# Altium PCB ModulebitV0_4.PcbDoc (part 2 of 2)
Units mm, origin at the board's own origin, x right, y up, seen from the top; angles counter-clockwise.
Board outline 60 x 54 mm, 2 copper layers (Top Layer, Bottom Layer), stack 1.671 mm thick; 125 components, 87 nets, 543 pads, 469 vias.
Unrouted connection lines stored in the file: 1.
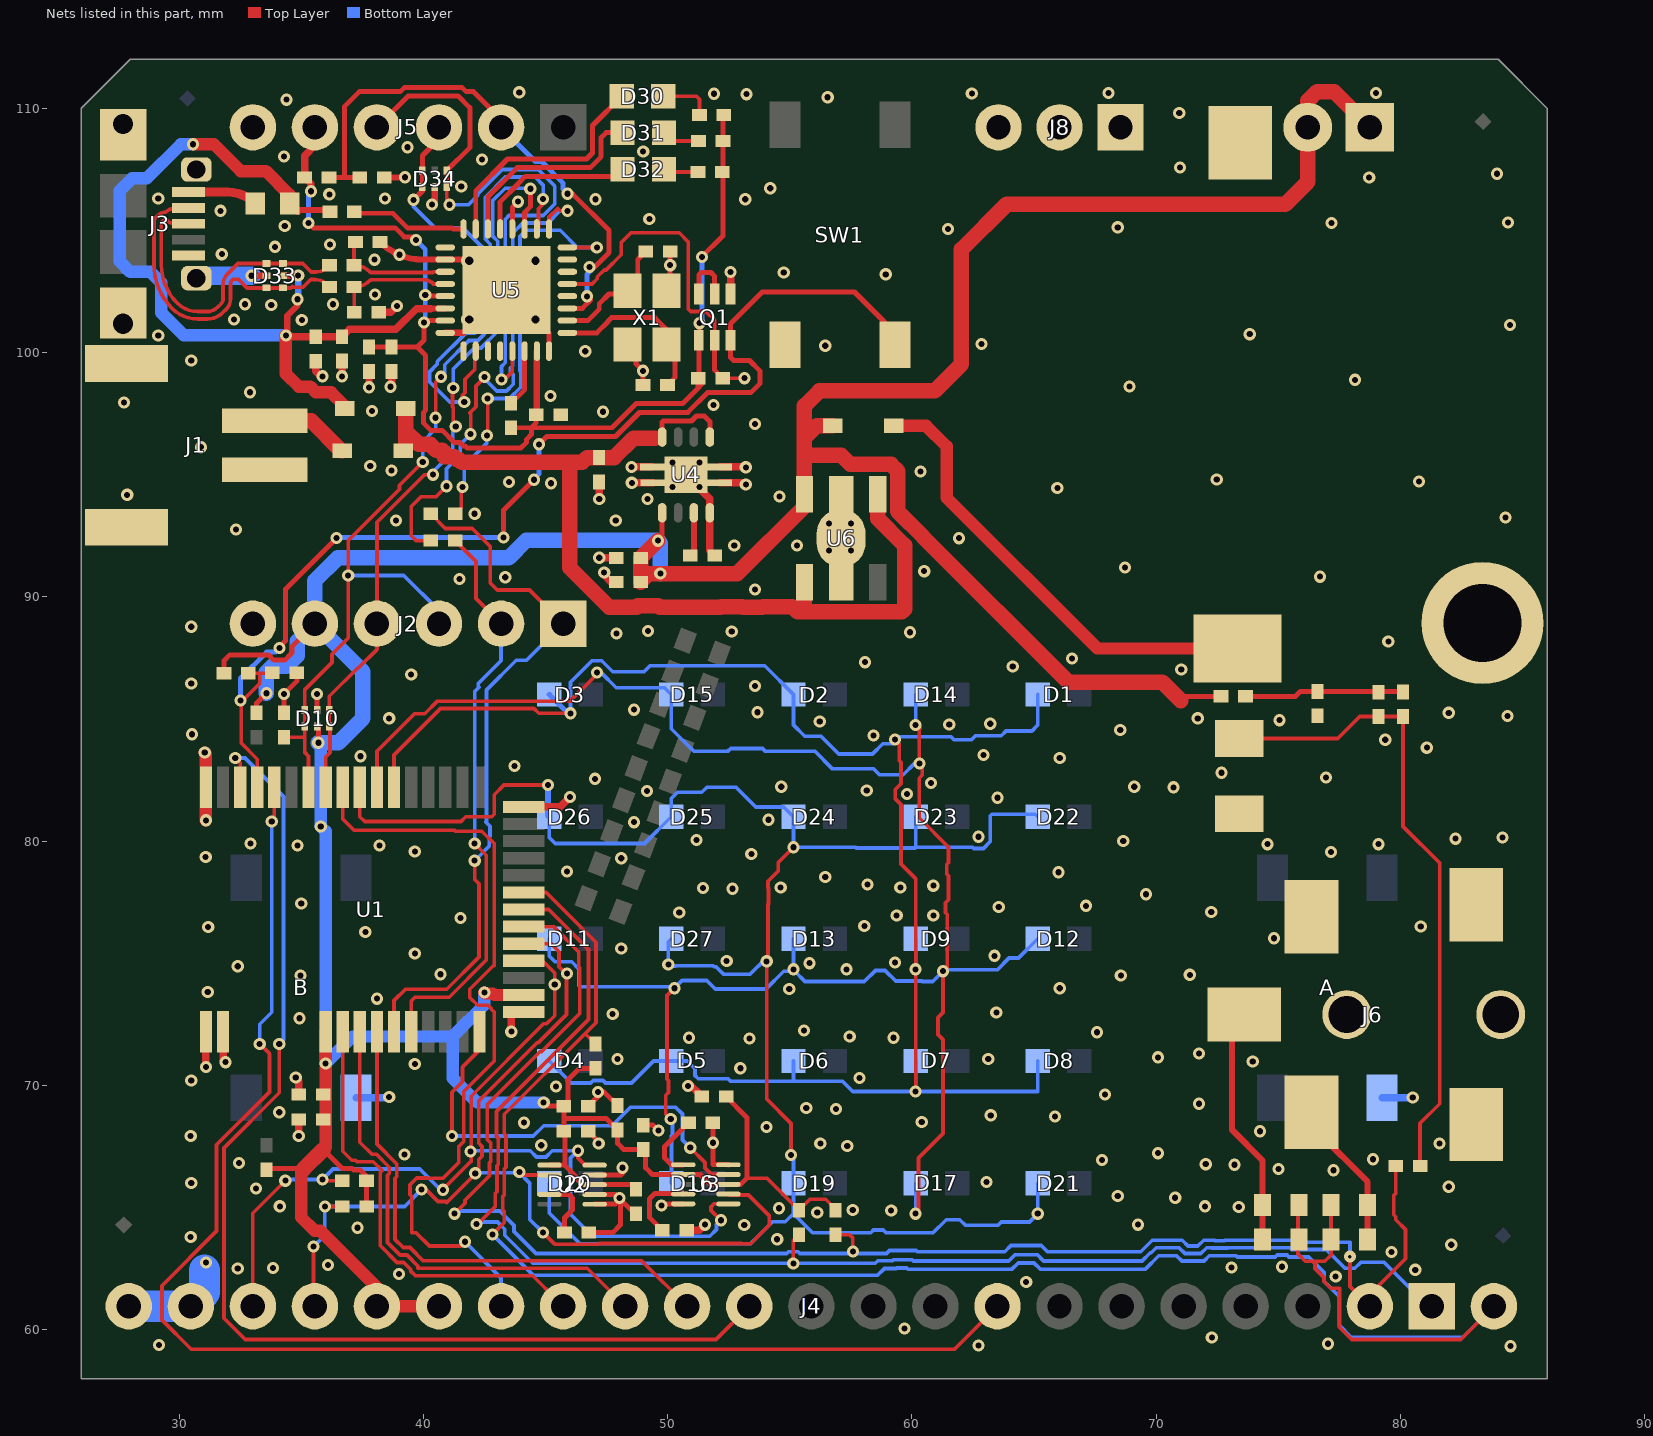
[diagram p2: the nets of this part, all layers, seen from the top]

## Via types
v1: diameter 0.5, hole 0.25, Top Layer to Bottom Layer, tented both sides, 464 vias
v2: diameter 0.66, hole 0.33, Top Layer to Bottom Layer, tented both sides, 4 vias
v3: diameter 0.5, hole 0.15, Top Layer to Bottom Layer, 1 vias

## Nets (pads, with @x,y where several pads share a name; then routed paths per layer and width w, separated by ;. In a path a pad name is that pad's centre, name@x,y a point inside that pad or via, vN(x,y) a via of type N, cw(c..) or ccw(c..) an arc to the next point about the centre after c; other vN are vias at no path point) (continued)
GND: A.2 B1.NEG B.2 C1.2 C2.2 C3.2 C4.2 C5.2 C6.2 C7.2 C8.2 C9.2 C10.2 C11.2 C12.2 C13.2 C14.2 C15.2 C16.2 C17.2 C18.2 C19.2 C20.2 C21.2 C22.2 C23.2 C24.2 C25.2 C26.2 C27.2 D10.2 D33.2 D34.2 J1.2 J1.P1 J1.P2 J2.6 J3.5 J3.H0 J3.H1 J3.H2 J3.H3 J4.21 J4.22 J5.6 J6.BARL J6.P01 J6.P02 J6.P03 J6.P04 J8.1 J8.2 J8.3 M1.BLACK M2.1 pad.2 Q1.1 R5.2 SW1.2 U1.1 U1.2 U1.13 U1.25 U1.42 U2.6 U2.7 U2.9 U3.5 U3.10 U4.4 U4.9 U5.2 U5.8 U5.16 U5.33 U6.2 X1.2 X1.4 | length 64.1
  Top Layer w0.203: R5.2@34.3,85.25 v1(34.3,86.025) 34.819,86.544 C24.2@34.819,86.893 ; D10.2@35.65,85.363 v1(35.65,86.025) ; U5.33@43.394,102.556 45.144,100.806 U5.16@45.144,100.056 ; C2.2@46.75,68.125 47.175,67.7 v1(47.175,67.625) ; C1.2@46.75,69.15 47.125,69.525 47.15,69.525 v1(47.15,69.725) 47.4,69.725 C8.2@47.95,69.175 ; C6.2@46.775,63.975 47.75,63.975 48.062,64.287 pad.2@48.062,65.337 ; U2.6@47.012,65.136 47.861,65.136 pad.2@48.062,65.337 ; U2.7@47.012,65.536 v1@47.864,65.536 ; U2.9@47.012,66.336 48.086,66.336 48.152,66.402 v1(48.152,66.628) ; C3.2@48.7,64.75 48.65,64.75 pad.2@48.062,65.337 ; X1.4@48.705,100.332 48.705,99.537 v1(48.992,99.25) C21.2@48.992,98.671 ; C9.2@49,68.375 49.4,68.375 v1(49.625,68.15) ; v1(49.752,65.078) 49.752,65.15 49.751,65.151 49.752,65.151 U3.5@50.637,65.151 ; C22.2@50.102,104.132 v1(50.102,103.575) 50.102,102.735 X1.2@50.305,102.532 ; C7.2@51.85,68.475 v1(51.85,67.653) 51.856,67.647 51.856,66.753 52.485,66.753 U3.10@52.487,66.751
  Top Layer w0.254: v1(32.963,103.143) D33.2@33.579,103.143 ; C18.2@38.225,104.525 ccw(c39.96,106.26) 39.96,103.806 U5.2@40.894,103.806 U5.33@42.144,103.806 ; C23.2@38.397,107.169 39.244,107.169 v1(39.25,107.175) ; v1(40.352,106.055) 40.462,106.165 D34.2@40.462,106.774 ; U5.8@40.894,100.806 U5.33@41.644,100.806
  Top Layer w0.305: v1(31.1,70.75) U1.1@31.1,71.699 ; U1.2@31.8,71.699 31.8,71.05 v1(31.9,70.95) ; v1(34.775,70.325) 34.9,70.2 C5.2@34.9,69.625 ; v1(34.9,67.925) C4.2@34.9,68.6 ; C25.2@35.595,99.647 35.595,99.23 35.8,99.025 v1(35.875,99.025) ; v1(36.675,99.025) C26.2@36.675,99.65 ; v1(37.775,98.575) C16.2@37.775,99.225 ; C17.2@38.175,101.65 38.675,101.65 v1(38.925,101.9) ; v1(38.65,98.6) 38.7,98.65 C19.2@38.7,99.225 ; v1(43.6,72.2) 43.599,72.999 U1.13@44.1,72.999 ; U1.25@43.8,81.399 45.599,81.399 v1(46,81.8) ; C14.2@47.193,94.699 47.193,94.007 v1(47.2,94) ; v1(47.2,91.6) 47.208,91.592 C13.2@47.895,91.592 ; v1(47.4,91) 47.4,90.9 47.698,90.602 C12.2@47.895,90.602 ; v1(48.516,95.316) U4.9@49.378,95.316 ; v1(48.534,94.666) U4.9@49.403,94.666 ; U4.9@50.749,94.991 51.724,94.016 U4.4@51.724,93.441 C15.2@51.724,91.897 ; C10.2@50.775,64.075 51.3,64.075 v1(51.525,64.3) ; v1(50.827,69.978) 50.827,70.052 50.85,70.075 50.875,70.075 C11.2@51.4,69.55 ; U4.9@52.121,94.666 53.134,94.666 v1(53.2,94.6) ; U4.9@52.121,95.316 53.184,95.316 v1(53.2,95.3) ; Q1.1@52.575,102.4 v1(52.575,103.3)
  Top Layer w0.508: v1(31.05,83.625) 31.1,83.575 U1.42@31.1,82.699 U1.42@31.1,82.199 v1(31.1,80.85)
  Bottom Layer w0.254: v1(40.352,106.055) v1@40.445,106.055
  Bottom Layer w0.305: B.2@37.25,69.5 38.575,69.5 v1(38.6,69.525) ; A.2@79.25,69.5 v1(80.5,69.5)
  Bottom Layer w0.762: J3.H3@30.709,103.041 cw(c30.954,102.796) 30.954,103.143 v1(32.963,103.143)
  Bottom Layer w1.27: J4.22@27.94,60.96 J4.21@30.48,60.96 31.05,61.53 31.05,62.45
  other v1: 84.5,59.325 62.725,59.35 29.175,59.375 77.025,59.425 72.275,59.675 59.7,60.05 64.675,61.95 77.343,62.179 39,62.275 80.6,62.45 32.4,62.5 33.85,62.525 73.075,62.55 75.15,62.575 36.1,62.65 31.1,62.75 79.625,63.175 82.075,63.475 54.483,63.703 30.475,63.8 37.3,64.175 53.137,64.287 69.25,64.3 56.125,64.8 59.15,64.875 57.578,64.903 54.559,64.973 73.375,65.025 34.125,65.05 72,65.05 48.029,65.397 70.775,65.4 68.425,65.475 33.15,65.775 81.975,65.85 30.5,66 63.05,66.05 77.25,66.525 75,66.575 73.2,66.75 72.025,66.775 32.45,66.825 67.775,66.95 78.875,66.975 39.225,67.175 70.075,67.225 57.35,67.525 44.825,67.55 56.25,67.625 81.6,67.625 30.475,67.925 74.25,68.125 54.051,68.301 44.125,68.475 60.401,68.504 65.85,68.725 63.225,68.775 34.1,68.9 56.896,69.037 55.675,69.075 71.75,69.25 67.9,69.625 45.425,69.95 30.5,70.2 57.85,70.3 52.975,70.7 39.65,70.875 73.95,70.975 47.95,71.075 63.125,71.075 70.075,71.15 71.75,71.3 53.35,71.925 50.875,71.95 59.25,71.95 57.45,72 67.575,72.175 55.575,72.25 34.925,72.75 47.75,72.925 63.453,72.979 38.1,73.55 31.175,73.825 54.975,73.95 66.05,73.975 34.975,74.5 68.55,74.5 71.375,74.525 40.7,74.55 57.325,74.75 32.4,74.875 55.803,75.004 59.303,75.029 52.415,75.098 63.378,75.304 39.65,75.4 48.1,75.6 74.825,76.025 37.625,76.275 31.191,76.479 80.825,76.5 58.05,76.525 41.525,76.85 59.375,76.95 60.875,76.95 50.475,77.075 72.25,77.1 63.553,77.304 67.125,77.35 35,77.45 69.575,77.825 52.65,78.05 51.45,78.075 54.625,78.1 59.525,78.1 60.875,78.175 58.175,78.225 56.45,78.525 66,78.725 45.875,78.75 48.1,79.3 31.09,79.35 53.425,79.475 77.15,79.55 39.65,79.575 34.85,79.825 38.2,79.825 74.55,79.875 79.1,79.875 32.925,79.9 68.65,80 51.175,80.05 82.25,80.1 84.175,80.15 62.728,80.179 48.625,80.775 54.125,80.875 63.5,81.775 59.8,81.925 49.15,82.05 58.15,82.075 70.7,82.2 54.65,82.225 69.1,82.225 60.775,82.375 47.025,82.55 76.95,82.6 72.675,82.8 43.725,83.075 66.05,83.4 37.425,83.475 62.925,83.525 81.075,83.825 79.375,84.15 58.425,84.325 30.525,84.375 68.525,84.55 61.525,84.775 63.203,84.804 56.225,84.9 75.05,84.95 38.6,85.025 71.7,85.025 84.375,85.125 81.975,85.25 53.675,85.275 48.627,85.379 53.575,86.35 30.5,86.45 39.5,86.825 71.025,87.025 64.125,87.15 58.075,87.325 66.55,87.475 79.5,88.175 47.9,88.5 59.925,88.55 52.625,88.575 49.2,88.6 30.5,88.775 53.575,90.3 41.475,90.725 43.35,90.8 76.7,90.825 60.5,91.05 68.725,91.2 56.6,91.9 57.5,91.9 52.725,92.1 55.3,92.1 61.925,92.4 32.325,92.75 56.6,93 57.5,93 38.875,93.125 47.875,93.125 84.3,93.25 42.1,93.4 49.175,94 54.575,94.1 27.875,94.175 65.95,94.45 50.2,94.5 51.3,94.5 45.225,94.65 43.5,94.7 80.75,94.725 72.475,94.8 60.35,95.125 38.7,95.175 37.825,95.35 50.2,95.5 51.3,95.5 30.9,96.125 53.575,97.075 47.35,97.575 37.9,97.6 51.875,97.85 27.75,97.95 45.2,98.225 32.9,98.375 68.91,98.603 78.13,98.882 30.5,99.675 46.625,100.05 56.45,100.275 62.85,100.35 29.15,100.7 73.825,100.75 84.475,101.125 35.025,101.325 32.25,101.35 33.775,101.95 32.7,101.975 36.3,101.975 38.025,102.375 58.925,103.2 54.75,103.275 38,103.8 39.025,104 31.75,104.025 33.925,104.325 36.175,104.425 61.475,105.05 68.425,105.125 34.325,105.175 77.175,105.3 84.4,105.325 49.251,105.461 31.7,105.8 47.05,106.275 53.175,106.275 29.15,106.3 38.425,106.3 36.15,106.475 54.2,106.725 41.55,106.8 78.715,107.163 83.947,107.315 70.968,107.569 42.4,107.9 34.3,108.025 48.997,108.229 39.35,108.4 70.942,109.804 34.4,110.35 56.55,110.45 53.225,110.575 51.892,110.592 62.45,110.6 68.05,110.625 79,110.625 43.925,110.65
  other v2: 41.877,101.355 44.594,101.356 41.877,103.755 44.594,103.756
I2C.SCL: J4.19 R2.2 U1.17 U2.2 U3.7 | length 42.4
  Top Layer w0.152: v1(35.5,63.4) 35.5,61.02 J4.19@35.56,60.96 ; v1(35.968,65.043) R2.2@36.678,65.043 ; v1(39.929,65.735) 40.113,65.735 40.602,65.246 40.905,65.246 40.952,65.2 v1@42.138,66.387 ; v1@42.263,66.511 42.263,66.961 42.404,67.102 42.404,67.498 42.263,67.639 42.263,69.366 44.637,71.74 44.695,71.74 45.856,72.901 45.856,74.327 ; v1(43.927,66.453) 43.927,66.425 44.016,66.336 U2.2@45.162,66.336 ; U1.17@44.1,75.799 U1.17@44.6,75.799 45.224,75.799 45.551,75.473 45.551,74.855 v1@45.827,74.579 ; v1(44.9,63.975) 45.35,63.525 45.352,63.525 45.38,63.496 47.17,63.496 47.198,63.525 52.998,63.525 53.002,63.521 53.398,63.521 53.679,63.802 54.154,64.277 54.154,64.673 53.311,65.516 52.522,65.516 U3.7@52.487,65.551
  Bottom Layer w0.152: v1(35.5,63.4) 35.968,63.868 v1(35.968,65.043) 39.237,65.043 v1(39.929,65.735) ; v1(42.125,66.4) 42.154,66.429 43.923,66.429 44.35,66.002 44.35,64.525 v1(44.9,63.975)
  other v1: 45.877,74.579
I2C.SDA: J4.20 R1.2 U1.16 U2.10 U3.6 | length 42.8
  Top Layer w0.152: J4.20@33.02,60.96 33.02,64.77 v1(34.35,66.1) ; v1@35.925,66.1 R1.2@36.675,66.1 ; v1(40.8,65.725) 40.8,65.752 41.927,66.879 41.954,66.879 41.958,66.883 41.958,69.558 44.921,72.521 45.045,72.521 45.377,72.853 v1(45.377,74.129) 45.377,74.598 44.876,75.099 U1.16@44.6,75.099 U1.16@44.1,75.099 ; v1(46.325,67.325) 46.325,67.025 46.614,66.736 U2.10@47.012,66.736 ; v1(52.178,64.478) 51.775,64.881 51.775,65.025 51.901,65.151 U3.6@52.487,65.151
  Bottom Layer w0.152: v1(34.35,66.1) 34.4,66.15 v1(35.875,66.15) 36.298,66.573 39.85,66.573 40.698,65.725 v1(40.8,65.725) ; v1(41.925,67.3) 41.95,67.325 44.373,67.325 44.627,67.071 45.023,67.071 45.277,67.325 v1(46.325,67.325) 46.025,67.025 46.025,64.725 46.929,63.821 51.723,63.821 52.004,64.102 52.004,64.304 v1(52.178,64.478) ; v1@45.377,73.973 v1(45.377,74.129)
IF_NRST: C23.1 J5.2 R22.2 U5.19 | length 23
  Top Layer w0.203: R22.2@36.136,107.163 36.775,107.163 ; C23.1@37.391,107.163 36.775,107.163 ; J5.2@43.18,109.22 43.18,109.545 42.05,110.675 41.753,110.675 41.572,110.856 39.233,110.856 39.052,110.675 37.375,110.675 36.775,110.075 36.775,107.163 ; v1@45.8,106.5 v1(45.9,106.5) 46.1,106.5 47.604,104.996 47.604,104.091 47.013,103.5 v1(46.8,103.5) ; U5.19@45.894,101.806 46.506,101.806 46.844,102.144 46.844,102.156 v1(46.7,102.3)
  Bottom Layer w0.203: J5.2@43.18,109.22 44.582,107.818 44.84,107.818 45.711,106.947 45.711,106.689 v1(45.9,106.5) ; v1(46.7,102.3) 46.7,103.2 47,103.5 v1(46.8,103.5)
IF_TDO: U5.12
LED_COM_GREEN: D30.K U5.31 | length 9.8
  Top Layer w0.203: U5.31@42.144,105.056 42.144,106.619 43.444,107.919 46.678,107.919 46.924,108.165 46.924,109.293 D30.K@48.121,110.49
LED_DAP_BLUE: D31.K U5.30 | length 8.4
  Top Layer w0.203: U5.30@42.644,105.056 42.644,106.369 43.839,107.564 46.826,107.564 47.28,108.018 47.28,108.798 47.481,109 D31.K@48.15,109
LED_PWR_RED: D32.K U5.29 | length 6.7
  Top Layer w0.203: U5.29@43.144,105.056 43.144,106.169 43.875,106.9 43.875,106.913 44.17,107.208 47.858,107.208 D32.K@48.15,107.5
MAG_INT1: U1.12 U3.9 | length 18
  Top Layer w0.152: v1(41.175,67.925) 41.175,69.719 41.605,70.149 41.605,70.748 42.282,71.426 42.3,71.426 U1.12@42.3,71.699 ; v1(50.925,67.45) 51.525,66.85 51.525,66.616 51.79,66.351 U3.9@52.487,66.351
  Bottom Layer w0.152: v1(41.175,67.925) 44.5,67.925 44.925,68.35 47.725,68.35 48.482,69.107 50.326,69.107 50.606,68.827 50.606,67.769 v1(50.925,67.45)
MISO: J4.14 U1.5 | length 19.6
  Top Layer w0.152: U1.5@37.4,71.699 37.4,67.675 37.895,67.18 38.076,67.18 38.607,66.649 38.607,66.383 38.536,66.312 38.536,63.571 39.049,63.058 39.324,63.058 39.783,62.599 39.783,62.527 39.799,62.512 46.708,62.512 J4.14@48.26,60.96
MOSI: J4.15 U1.4 | length 17.6
  Top Layer w0.152: U1.4@36.7,71.699 36.7,67.3 37.066,66.934 37.217,66.934 37.276,66.875 37.95,66.875 38.302,66.523 38.302,66.51 38.231,66.438 38.231,63.445 38.923,62.754 39.198,62.754 39.479,62.473 39.479,62.401 39.672,62.207 44.473,62.207 J4.15@45.465,61.215
NC1: U5.9
NC2: U5.1
NC5: U5.11
NetB1_POS1: B1.POS1 D28.2 | length 19.1
  Top Layer w0.508: D28.2@59.25,97 60.579,97 61.417,96.162 61.417,94.056 67.589,87.884 B1.POS1@73.33,87.884
NetC6_1: C6.1 U2.4 | length 2.6
  Top Layer w0.203: U2.4@45.162,65.536 45.964,65.536 46.1,65.4 46.1,64.9 45.775,64.575 C6.1@45.775,63.975
NetC7_1: C7.1 U3.1 | length 2.7
  Top Layer w0.203: U3.1@50.637,66.751 50.149,66.751 49.875,67.025 49.875,67.5 C7.1@50.85,68.475
NetC10_1: C10.1 U3.4 | length 3
  Top Layer w0.203: C10.1@49.775,64.075 49.248,64.602 49.248,65.348 49.482,65.582 50.606,65.582 U3.4@50.637,65.551
NetC27_1: C27.1 R28.1 R29.1 R37.2 | length 6.5
  Top Layer w0.203: R37.2@73.65,85.925 75.7,85.925 75.9,86.125 C27.1@76.6,86.125 80.075,86.125 R29.1@80.1,86.1
NetD30_A: D30.A R15.2 | length 2.2
  Top Layer w0.152: D30.A@49.821,110.49 51.181,110.49 51.3,110.371 R15.2@51.3,109.725
NetD31_A: D31.A R16.2 | length 1.1
  Top Layer w0.152: D31.A@50.189,108.661 R16.2@51.265,108.661
NetD32_A: D32.A R17.2 | length 1.3
  Top Layer w0.152: D32.A@49.959,107.391 R17.2@51.24,107.391
NetJ6_RING: J6.RING R31.1 R32.1 | length 5.6
  Top Layer w0.254: J6.RING@76.6,68.5 76.6,68.1 78.65,66.05 R31.1@78.65,63.7
NetJ6_TIP: J6.TIP R33.1 R34.1 | length 9.7
  Top Layer w0.254: J6.TIP@73.1,72.9 73.1,68.175 74.35,66.925 R34.1@74.35,65.1 R33.1@74.35,63.7
NetM1_RED: M1.RED R28.2 R29.2 R30.2 | length 26.4
  Top Layer w0.152: M1.RED@73.4,84.2 77.425,84.2 78.325,85.1 R29.2@80.1,85.1 80.1,80.6 81.6,79.1 81.6,69.25 80.8,68.45 R30.2@80.8,66.7
NetQ1_2: Q1.2 Q1.3 | length 2.3
  Top Layer w0.203: Q1.3@51.275,102.375 Q1.3@51.275,102.4 51.275,102.425 51.275,103.175 51.375,103.275 51.775,103.275 51.925,103.125 Q1.2@51.925,102.4 Q1.2@51.925,102.375
NR: C15.1 U4.3 | length 1.6
  Top Layer w0.254: C15.1@51.074,91.841 U4.3@51.074,93.441
NRES_FB_BL: R21.2 U5.14 | length 2.4
  Top Layer w0.203: R21.2@43.586,97.92 44.144,98.478 U5.14@44.144,100.056
P0: J4.0 R26.2 R31.2 R32.2 R33.2 R34.2 U1.20 | length 78.8
  Top Layer w0.152: v1(42.825,63.9) 43.315,64.39 43.315,64.839 43.249,64.905 43.249,65.45 43.315,65.517 43.315,66.576 43.384,66.645 43.384,67.949 43.315,68.019 43.315,68.815 46.611,72.111 ; U1.20@44.6,77.899 45.026,77.899 47.067,75.858 47.067,72.567 46.611,72.111 ; R26.2@47.041,71.696 46.626,72.111 46.611,72.111 ; 75.8,64.6 75.8,63.1 76.1,62.8 76.4,62.8 ; R32.2@77.15,65.1 R31.2@77.15,63.7 77.15,63.05 76.9,62.8 76.4,62.8 ; 77.499,61.701 77.145,61.701 76.864,61.981 76.864,62.136 76.5,62.5 76.5,62.7 76.4,62.8 ; 77.5,61.7 77.5,60.1 78,59.6 82.46,59.6 J4.0@83.82,60.96
  Bottom Layer w0.152: v1(42.825,63.9) 44.491,62.234 58.601,62.234 58.873,62.507 59.351,62.507 59.374,62.53 59.783,62.53 59.833,62.48 64.097,62.48 64.351,62.733 64.999,62.733 65.253,62.48 69.555,62.48 70.104,63.029 70.832,63.029 71.049,62.812 71.951,62.812 72.168,63.029 73.273,63.029 73.327,62.975 74.873,62.975 74.952,63.054 75.348,63.054 75.427,62.975 76.242,62.975 76.864,62.353 76.864,61.981 77.495,61.35 77.495,60.173 77.978,59.69 82.55,59.69 J4.0@83.82,60.96 J4.0@83.715,60.96
P0.16: J4.16 U1.34 | length 32.6
  Top Layer w0.152: U1.34@36.7,81.999 36.7,80.9 37.158,80.442 41.273,80.442 41.308,80.407 42.393,80.407 42.9,79.9 42.9,74.9 42.883,74.917 41.9,73.933 41.9,73.6 42.222,73.278 42.645,73.278 42.779,73.144 42.779,73.121 42.9,73 42.9,71 41.654,69.754 41.654,67.705 41.446,67.498 41.446,66.846 40.804,66.204 40.137,66.204 40.127,66.214 39.731,66.214 39.45,65.933 39.45,65.537 39.521,65.466 39.521,63.973 39.703,63.973 40.25,63.426 41.526,63.426 v1(41.7,63.6)
  Bottom Layer w0.152: v1(41.7,63.6) 43.18,62.12 J4.16@43.18,60.96
P0.18: J4.8 U1.38 | length 59.5
  Top Layer w0.152: v1(33.3,71.7) 33.7,71.3 33.7,69.731 31.537,67.568 31.537,64.037 29.3,61.8 29.3,60.4 30.5,59.2 61.74,59.2 J4.8@63.5,60.96 ; v1(33.795,80.805) 33.9,80.91 U1.38@33.9,82.199
  Bottom Layer w0.152: v1(33.3,71.7) 33.3,72.5 33.795,72.995 v1(33.795,80.805)
P0.20: J4.12 U1.40 | length 48.7
  Top Layer w0.152: v1(32.3,83.4) 32.5,83.2 U1.40@32.5,82.699 U1.40@32.5,82.199 ; v1(34.1,71.7) 34.1,69.7 31.841,67.441 31.841,60.472 32.713,59.6 51.98,59.6 J4.12@53.34,60.96
  Bottom Layer w0.152: v1(32.3,83.4) 32.7,83.4 34.274,81.826 34.274,71.874 v1(34.1,71.7)
P1: J4.1 R25.2 U1.19 | length 59.2
  Top Layer w0.152: v1@42.225,64.325 42.942,65.042 42.942,65.574 43.01,65.643 43.01,66.702 43.064,66.756 43.064,67.808 43.079,67.823 42.995,67.907 ; 42.998,67.91 42.995,67.912 42.995,68.926 46.762,72.693 46.762,75.566 45.128,77.199 U1.19@44.6,77.199 ; v1(55.143,62.713) 55.143,63.66 R25.2@55.372,63.889
  Bottom Layer w0.152: v1(42.175,64.325) 42.254,64.404 43.034,64.404 43.329,64.109 43.329,63.863 44.475,62.717 58.498,62.717 58.598,62.817 59.194,62.817 59.237,62.86 60.009,62.86 60.059,62.81 63.96,62.81 64.214,63.064 65.136,63.064 65.39,62.81 69.418,62.81 69.758,63.15 69.794,63.15 70.002,63.358 70.934,63.358 71.176,63.117 71.824,63.117 72.066,63.358 72.259,63.358 72.276,63.342 72.924,63.342 72.941,63.358 75.474,63.358 75.553,63.28 76.963,63.28 77.729,62.513 78.125,62.513 78.367,62.755 79.332,62.755 81.127,60.96 J4.1@81.28,60.96
P2: J4.2 R24.2 R30.1 U1.18 | length 64.8
  Top Layer w0.152: v1(41.275,64.75) 41.704,65.179 41.704,65.302 42.705,66.303 42.705,66.829 42.759,66.883 42.759,67.646 42.619,67.786 42.619,69.219 44.785,71.385 44.842,71.385 46.407,72.949 46.407,74.798 46.356,74.849 46.356,75.469 45.326,76.499 U1.18@44.6,76.499 U1.18@44.1,76.499 ; R24.2@56.871,63.889 57.447,63.889 57.582,63.754 v1(57.582,63.195) ; v3(77.927,62.992) 77.927,61.773 J4.2@78.74,60.96 ; J4.2@78.74,61.1 78.74,61.44 80.2,62.9 80.2,64.1 79.8,64.5 79.8,64.627 79.721,64.705 79.721,65.495 79.8,65.573 R30.1@79.8,66.7
  Bottom Layer w0.152: v1(41.275,64.75) 41.379,64.854 43.122,64.854 43.71,64.267 43.71,64.021 44.609,63.121 54.875,63.121 54.945,63.191 55.342,63.191 55.411,63.121 58.96,63.121 59.079,63.241 60.167,63.241 60.217,63.191 63.802,63.191 64.056,63.445 65.294,63.445 65.548,63.191 69.368,63.191 69.84,63.663 71.06,63.663 71.302,63.421 71.698,63.421 71.94,63.663 72.385,63.663 72.402,63.646 72.798,63.646 72.815,63.663 75.601,63.663 75.679,63.585 77.927,63.585 v3(77.927,62.992)
PRE_TGT_NRST: Q1.5 R27.2 U5.21 | length 13.8
  Top Layer w0.152: U5.21@45.894,102.806 46.906,102.806 47.121,103.021 47.121,103.098 47.402,103.379 47.479,103.379 48.1,104 48.1,104.5 48.5,104.9 50.475,104.9 50.846,104.529 50.846,101.779 50.946,101.679 51.571,101.679 51.925,101.325 Q1.5@51.925,100.5 ; R27.2@52.25,98.95 v1(53.15,98.95)
  Top Layer w0.203: Q1.5@51.925,100.5 51.925,99.275 R27.2@52.25,98.95
  Bottom Layer w0.152: v1@53.15,98.85 v1(53.15,98.95)
PRE_TGT_RXD: R36.2 U5.25 | length 20.7
  Top Layer w0.152: R36.2@40.3,92.3 39.7,92.3 39.5,92.5 39.5,93.7 39.9,94.1 40.523,94.1 v1(40.948,94.525) ; v1(41.935,96.658) 41.935,97.488 41.9,97.523 42.154,97.777 42.154,98.63 42.5,98.977 v1(42.5,99) ; U5.25@45.144,105.056 45.144,105.544 45.5,105.9 45.6,105.8 v1(45.9,105.8)
  Bottom Layer w0.152: v1(40.948,94.525) 40.948,95.239 41.2,95.492 ; 41.2,95.492 41.51,95.802 41.51,96.233 v1(41.935,96.658) ; v1@42.6,98.823 43.002,98.421 43.398,98.421 43.679,98.702 43.679,99.098 43.566,99.211 43.566,99.364 43.655,99.454 43.655,104.886 44.074,105.305 45.1,105.305 45.595,105.8 v1(45.9,105.8)
PRE_TGT_TXD: R35.2 U5.24 | length 18.1
  Top Layer w0.152: R35.2@41.3,93.4 41.55,93.65 v1@41.55,94.55 ; v1@42.632,96.6 v1(42.632,98.114) ; U5.24@45.894,104.306 45.9,104.3 v1(47.1,104.3)
  Bottom Layer w0.152: v1(41.6,94.5) 41.679,94.578 41.679,95.298 41.638,95.338 42.6,96.3 v1(42.6,96.6) ; v1(42.632,98.114) 42.486,98.114 42.484,98.116 43.524,98.116 43.983,98.575 43.983,99.224 43.96,99.248 43.96,104.76 44.2,105 45.6,105 46.3,104.3 v1(47.1,104.3)
ROW1: D1.A D2.A D3.A D4.A D5.A D6.A D7.A D8.A D9.A U1.31 | length 76.6
  Top Layer w0.152: U1.31@38.8,82.199 38.8,83.525 40.7,85.425 44.523,85.425 44.719,85.229 v1(46.027,85.229) ; v1(59.303,84.154) 59.477,83.98 59.477,83.304 59.55,83.23 59.55,82.352 59.321,82.123 59.321,81.727 59.55,81.498 59.55,79.064 60.15,78.464 v1(60.15,74.75) v1(60.15,69.75)
  Bottom Layer w0.152: D4.A@45.15,71 46.054,70.096 46.845,70.096 46.952,70.204 47.348,70.204 47.455,70.096 48.521,70.096 49.425,71 D5.A@50.15,71 50.8,71 51.121,70.679 51.121,70.405 51.255,70.271 52.474,70.271 52.57,70.175 55.15,70.175 ; v1(46.027,85.229) 46.027,86.506 46.904,87.383 47.301,87.383 47.754,86.929 49.029,86.929 49.275,87.175 53.975,87.175 D2.A@55.15,86 55.15,84.75 55.607,84.293 56.277,84.293 57.004,83.566 58.385,83.566 58.8,83.981 v1@59.206,83.981 ; D6.A@55.15,71 55.15,70.175 ; v1(59.303,84.154) 59.416,84.267 61.595,84.267 61.708,84.154 62.446,84.154 62.601,84.308 63.651,84.308 63.851,84.508 64.908,84.508 65.15,84.75 D1.A@65.15,86 ; D7.A@60.15,71 v1(60.15,69.75) ; v1(60.15,74.75) D9.A@60.15,76 ; D8.A@65.15,71 65.15,69.75 v1(60.15,69.75) ; 55.15,70.175 57.15,70.175 57.575,69.75 v1(60.15,69.75)
  Bottom Layer w0.203: D3.A@45.186,86 D3.A@45.15,86 45.921,85.229 v1(46.027,85.229)
ROW2: D11.A D12.A D13.A D14.A D15.A D16.A D17.A U1.32 | length 85.2
  Top Layer w0.152: U1.32@38.1,82.199 U1.32@38.1,82.699 38.1,83.675 39.638,85.212 40.056,85.212 40.574,85.73 46.005,85.73 v1@47.102,86.827 ; v1(50.127,68.628) 49.925,68.831 49.925,69.598 50.031,69.704 50.031,70.196 49.976,70.251 49.976,73.676 v1(50.275,73.975) ; v1(60.15,64.75) 60.266,64.866 60.266,67.022 61.27,68.027 61.27,69.27 61.275,69.275 61.275,71.874 61.067,72.082 61.067,72.774 61.275,72.983 v1(61.275,74.675) 61.449,74.849 61.449,77.006 61.374,77.081 61.374,77.477 61.5,77.603 61.5,78.573 61.421,78.652 61.421,79.048 61.5,79.127 61.5,79.75 60.296,80.954 60.296,82.573 60.425,82.702 60.425,83.2 60.303,83.322 60.303,84.597 v1@60.275,84.625
  Top Layer w0.254: v1(60.15,84.75) v1@60.275,84.625
  Bottom Layer w0.152: D11.A@45.15,76 45.15,75.3 45.393,75.057 46.075,75.057 46.356,74.777 46.356,74.094 46.415,74.035 50.215,74.035 v1(50.275,73.975) 50.592,74.292 51.603,74.292 51.95,73.945 54.028,73.945 54.754,74.671 55.204,74.671 55.625,74.25 58.047,74.25 58.505,74.707 58.901,74.707 59.337,74.271 60.405,74.271 60.426,74.25 60.85,74.25 v1(61.275,74.675) 61.337,74.737 63.498,74.737 63.974,75.213 64.363,75.213 D12.A@65.15,76 ; v1(47.102,86.904) 47.269,86.904 47.898,86.275 49.875,86.275 D15.A@50.15,86 50.15,84.6 51.067,83.683 52.474,83.683 52.578,83.787 53.883,83.787 53.987,83.683 56.024,83.683 56.751,82.956 58.436,82.956 58.674,82.719 59.644,82.719 60.104,83.179 v1(60.303,83.179) ; v1(50.127,68.628) 50.127,68.685 50.201,68.758 50.201,67.886 50.156,67.931 50.156,66.006 D16.A@50.15,66 ; v1(55.15,74.75) D13.A@55.15,76 ; v1(60.15,64.75) D17.A@60.15,66 ; v1(60.15,84.75) D14.A@60.15,86
ROW3: D19.A D20.A D21.A D22.A D23.A D24.A D25.A D26.A D27.A U1.33 | length 84.6
  Top Layer w0.152: U1.33@37.4,82.199 U1.33@37.4,81.999 37.4,81 37.6,80.8 41.539,80.8 41.739,81 42.8,81 42.9,81.1 42.9,81.9 43.3,82.3 v1(45.1,82.3) ; v1(55.05,67.15) 55.05,68.445 54.053,69.442 v1(54.053,75.079) 54.104,75.13 54.104,77.405 54.124,77.426 54.124,78.074 54.104,78.095 54.104,78.354 54.525,78.775 54.525,79.125 v1(55.15,79.75)
  Top Layer w0.254: U1.33@37.4,82.199 U1.33@37.4,82.699
  Bottom Layer w0.152: D20.A@45.15,66 45.15,64.775 46.408,63.517 53.393,63.517 54.291,64.414 54.814,64.414 55.15,64.75 ; D26.A@45.15,81 45.15,80.148 45.398,79.9 49.05,79.9 D25.A@50.15,81 50.15,81.748 50.402,82 50.998,82 51.002,81.996 51.398,81.996 51.605,82.204 52.801,82.204 53.605,81.4 54.75,81.4 D24.A@55.15,81 v1(55.15,79.75) 57.698,79.75 57.727,79.721 60.121,79.721 60.15,79.75 ; D27.A@50.15,76 50.027,75.877 v1(50.027,74.954) 50.027,74.91 50.059,74.879 50.317,74.879 50.339,74.901 51.856,74.901 51.898,74.86 51.976,74.86 52.155,74.681 52.281,74.555 53.379,74.555 53.999,75.175 54.1,75.175 54.053,75.128 v1(54.053,75.079) ; v1(55.05,67.15) 55.15,67.05 D19.A@55.15,66 55.15,64.75 ; D23.A@60.15,81 60.15,79.75 ; D21.A@65.15,66 v1(65.15,64.75) 64.81,64.41 63.656,64.41 63.518,64.271 62.193,64.271 61.961,64.504 61.402,64.504 60.865,63.967 58.935,63.967 58.823,64.079 58.427,64.079 58.315,63.967 55.933,63.967 55.15,64.75 ; D22.A@65.15,81 65.05,81.1 63.273,81.1 63.207,81.033 63.207,79.981 62.926,79.7 62.53,79.7 62.48,79.75 60.15,79.75
  Bottom Layer w0.254: v1(45.1,82.3) 45.1,81.05 D26.A@45.15,81
SCK: J4.13 U1.6 | length 21.5
  Top Layer w0.152: U1.6@38.1,71.699 38.1,67.6 38.912,66.788 38.912,66.257 38.841,66.186 38.841,63.698 39.175,63.363 39.451,63.363 39.997,62.817 48.943,62.817 J4.13@50.8,60.96
SLEEP_NREQ: U5.20
SWCLK: D10.3 D10.4 J2.3 R5.1 U1.36 U5.26 | length 38.1
  Top Layer w0.152: R5.1@34.3,84.25 35.125,84.25 ; U1.36@35.3,82.199 U1.36@35.3,82.699 35.3,83.475 35.15,83.625 D10.4@35.15,84.688 D10.3@35.15,85.363 35.15,86.202 36.262,87.313 36.262,87.648 36.921,88.308 v1(36.921,90.875) 36.928,90.881 36.928,92.309 39.019,94.4 39.019,94.567 v1(39.975,95.523) ; v1(40.502,97.33) 40.502,98.78 v1(40.727,99.005) ; U5.26@44.644,105.056 44.709,105.121 44.709,105.884 44.902,106.077 v1(44.902,106.28)
  Bottom Layer w0.152: v1(36.921,90.875) 39.2,90.875 40.64,89.435 J2.3@40.64,88.9 ; v1(39.975,95.523) 39.975,96.348 40.502,96.875 v1(40.502,97.33) ; v1@40.875,98.925 40.875,99.5 41.867,100.492 42.235,100.492 42.74,100.997 42.74,102.031 42.708,102.064 42.708,103.108 42.74,103.141 42.74,104.431 42.531,104.641 42.531,106.356 43.358,107.183 44.577,107.183 44.902,106.858 v1(44.902,106.28)
SWD_DIO: D34.3 D34.4 J5.4 U5.13 | length 25.2
  Top Layer w0.152: D34.3@40.962,106.774 40.962,106.163 v1(41.075,106.05) ; v1(43.2,98.9) 43.325,98.9 43.644,99.219 U5.13@43.644,100.056
  Top Layer w0.203: J5.4@38.1,109.22 39.38,110.5 41.425,110.5 41.9,110.025 41.9,108.387 D34.4@40.962,107.449 D34.3@40.962,106.774
  Bottom Layer w0.152: v1(41.075,106.05) 41.85,106.05 42.226,106.426 42.226,106.482 43.231,107.487 44.703,107.487 45.381,106.81 45.381,106.082 44.908,105.61 43.51,105.61 43.35,105.45 43.35,99.58 43.2,99.43 v1(43.2,98.9)
SWD_TCLK: D34.1 D34.6 J5.3 U5.10 | length 18
  Top Layer w0.152: v1(41.675,97.975) 41.598,98.052 41.598,98.247 41.704,98.352 41.704,98.904 42.104,99.304 42.104,100.016 U5.10@42.144,100.056
  Top Layer w0.203: v1(39.6,106.25) 39.962,106.612 D34.1@39.962,106.774 D34.6@39.962,107.449 39.962,108.062 40.64,108.74 J5.3@40.64,109.22
  Bottom Layer w0.152: v1(39.6,106.25) 39.6,105.975 40.475,105.1 41.619,105.1 42.404,104.315 42.425,104.315 42.436,104.305 42.436,103.268 42.403,103.235 42.403,101.792 42.436,101.759 42.436,101.124 42.108,100.796 41.74,100.796 40.57,99.626 40.57,99.525 40.248,99.203 40.248,98.807 41.08,97.975 v1(41.675,97.975)
SWDIO_RST: D10.1 D10.6 J2.4 U1.35 U5.27 | length 30.9
  Top Layer w0.152: U1.35@36,82.199 U1.35@36,82.699 36,83.446 36.179,83.625 36.179,84.659 D10.6@36.15,84.688 D10.1@36.15,85.363 36.15,85.925 37.321,87.096 37.348,87.096 38.1,87.848 J2.4@38.1,88.9 38.1,93.05 40.05,95 v1(40.4,95) ; v1(41.225,98.55) 41.196,98.521 41.196,97.777 41.225,97.748 41.225,96.825 41.324,96.924 v1(41.324,96.97)
  Top Layer w0.203: U5.27@44.144,105.056 44.144,105.731 44.379,105.966 v1(44.379,106.704)
  Bottom Layer w0.152: v1@40.498,95.221 41.206,95.929 v1@41.206,96.794 ; v1(41.225,98.55) 41.225,99.325 42.087,100.187 42.361,100.187 43.045,100.871 43.045,102.157 43.012,102.19 43.012,102.982 43.045,103.015 43.045,104.557 42.835,104.767 42.835,106.21 43.35,106.725 44.358,106.725 v1(44.379,106.704)
TARGET_SWD.NRST: C24.1 Q1.6 R23.2 SW1.1 U1.39 | length 47.3
  Top Layer w0.152: v1@32.55,85.702 32.55,84.002 33.2,83.352 U1.39@33.2,82.699 U1.39@33.2,82.199 ; v1@32.555,85.707 33.3,86.452 33.3,86.868 ; R23.2@32.837,86.868 33.3,86.868 ; C24.1@33.819,86.893 33.793,86.868 33.3,86.868
  Top Layer w0.203: v1(34.112,87.909) 34.087,87.909 34.016,87.981 34.138,87.981 34.356,88.199 34.356,90.312 v1(36.449,92.405) ; v1(43.282,92.431) 43.282,93.548 v1(44.526,94.793) ; v1(44.729,96.241) 45.053,96.564 47.867,96.564 48.847,97.544 50.093,97.544 50.099,97.55 50.749,97.55 ; 50.753,97.55 50.749,97.55 ; SW1.1@58.875,100.825 58.875,101.25 57.65,102.475 53.875,102.475 52.575,101.175 Q1.6@52.575,100.5 52.575,99.8 52.7,99.675 53.35,99.675 53.775,99.25 53.775,98.725 53.404,98.354 51.629,98.354 50.825,97.55 50.749,97.55
  Bottom Layer w0.203: v1(32.512,85.75) 32.512,86.66 33.587,87.736 33.938,87.736 v1(34.112,87.909) ; v1(36.449,92.405) 36.474,92.431 v1(43.282,92.431) ; v1(44.526,94.793) 44.526,94.818 44.729,95.021 v1(44.729,96.241)
TGT_NRESET_X: U5.22
TGT_RXD: J2.2 R36.1 U1.8 | length 23.4
  Top Layer w0.152: U1.8@39.5,72.399 39.5,73.45 39.659,73.609 41.059,73.609 42.579,75.129 42.579,79.421 v1(42.1,79.9) ; R36.1@41.3,92.3 42.154,91.446 42.154,89.926 J2.2@43.18,88.9
  Bottom Layer w0.152: v1(42.1,79.9) 42.1,86.127 42.275,86.302 42.25,86.327 42.25,86.45 43.18,87.38 J2.2@43.18,88.9
TGT_SWO: U5.28 | length 1.2
  Top Layer w0.203: U5.28@43.644,105.056 43.644,105.944 v1(43.875,106.175)
TGT_TXD: J2.1 R35.1 U1.7 | length 29.3
  Top Layer w0.152: U1.7@38.8,72.199 38.8,73.475 39.264,73.939 40.958,73.939 42.274,75.255 42.274,78.256 42.1,78.43 v1(42.1,79.2) ; R35.1@40.3,93.4 40.9,92.8 42,92.8 42.74,92.06 42.74,90.56 43.025,90.275 44.345,90.275 J2.1@45.72,88.9
  Bottom Layer w0.152: v1(42.1,79.2) 42.7,79.8 42.7,80.181 42.729,80.209 42.729,80.606 42.555,80.78 42.58,80.805 42.58,86.18 43.8,87.4 44.22,87.4 J2.1@45.72,88.9
USB_D_N: C17.1 R20.2 U5.4 | length 4.9
  Top Layer w0.152: R20.2@37.16,102.676 ccw(c37.16,103.585) 37.802,102.942 cw(c37.877,102.868) 37.877,102.973 40.015,102.973 cw(c40.015,102.403) 40.418,102.806 U5.4@40.894,102.806 ; C17.1@37.175,101.65 R20.2@37.175,102.662
USB_D_P: C18.1 R19.2 U5.3 | length 4.7
  Top Layer w0.152: C18.1@37.16,104.46 R19.2@37.16,103.575 cw(c37.16,102.667) 37.802,103.309 ccw(c37.877,103.383) 37.877,103.278 40.39,103.278 cw(c40.458,103.21) 40.458,103.306 U5.3@40.894,103.306
USB_N: D33.3 D33.4 J3.2 R20.1 | length 13.5
  Top Layer w0.152: J3.2@30.384,105.916 29.876,105.916 ccw(c29.876,105.327) 29.46,105.744 29.45,105.744 ccw(c29.45,105.292) 29.13,105.611 29.059,105.541 ccw(c29.275,105.325) 28.97,105.325 28.97,103.594 ccw(c31.494,103.594) 29.709,101.809 ccw(c30.77,102.87) 30.77,101.37 31.15,101.37 ccw(c31.15,102.279) 31.792,101.636 31.941,101.784 ccw(c31.544,102.181) 32.105,102.181 32.105,102.77 cw(c32.43,102.77) 32.2,103 32.429,103 32.786,102.643 D33.3@33.579,102.643 D33.4@34.254,102.643 34.566,102.643 34.636,102.713 34.677,102.671 35.073,102.671 35.392,102.991 35.55,102.991 cw(c35.55,102.276) 36.055,102.781 R20.1@36.16,102.676
USB_P: D33.1 D33.6 J3.3 R19.1 | length 12.5
  Top Layer w0.152: J3.3@30.384,105.266 29.876,105.266 cw(c29.876,105.856) 29.46,105.439 29.45,105.439 ccw(c29.45,105.292) 29.346,105.396 29.275,105.325 29.275,103.594 ccw(c31.494,103.594) 29.925,102.025 ccw(c30.77,102.87) 30.77,101.675 31.15,101.675 ccw(c31.15,102.279) 31.577,101.852 31.725,102 ccw(c31.544,102.181) 31.8,102.181 31.8,102.77 cw(c32.43,102.77) 31.984,103.215 ; 31.984,103.216 32.412,103.643 D33.6@34.254,103.643 35.059,103.643 35.406,103.295 35.593,103.295 ccw(c35.593,103.989) 36.084,103.499 R19.1@36.16,103.575
V3.3: C1.1 C2.1 C3.1 C4.1 C5.1 C8.1 C9.1 C11.1 C12.1 C13.1 D10.5 D28.1 J2.5 J4.17 J4.18 J7.1 J7.2 R1.1 R2.1 R3.1 R4.1 R23.1 R24.1 R25.1 R26.1 R37.1 U1.3 U1.14 U2.1 U2.8 U3.2 U3.8 U4.1 U6.5 | length 186.4
  Top Layer w0.152: 53.241,66.204 54.057,66.204 R25.1@55.372,64.889 55.824,65.341 56.468,65.341 56.871,64.939 R24.1@56.871,64.889
  Top Layer w0.2: v1(49.6,92.297) 49.774,92.472 U4.1@49.774,93.441
  Top Layer w0.203: R23.1@31.837,86.868 31.837,87.387 32.075,87.625 33.658,87.625 33.878,87.405 34.321,87.405 34.616,87.701 34.616,87.956 J2.5@35.56,88.9 ; R3.1@33.175,85.25 33.175,85.65 v1(33.575,86.05) ; R4.1@33.575,66.55 33.629,66.604 35.021,66.604 35.075,66.55 ; D10.5@35.65,84.688 35.7,84.638 v1(35.7,84.025) ; C4.1@35.9,68.6 35.9,67.375 36.671,66.604 37.08,66.604 37.139,66.545 37.405,66.545 37.675,66.275 R1.1@37.675,66.1 R2.1@37.675,65.047 ; J4.18@38.1,60.96 J4.18@38.1,61.5 ; v1(44.925,69.3) 45.075,69.15 C1.1@45.75,69.15 ; U2.1@45.162,66.736 45.789,66.736 ; C2.1@45.75,68.125 45.75,68.638 ; C2.1@45.789,68.086 45.789,66.736 ; R26.1@47.041,70.696 46.388,70.696 45.89,70.198 45.929,70.159 45.929,69.329 C1.1@45.75,69.15 ; C3.1@48.514,65.936 46.511,65.936 46.258,66.189 46.258,66.267 45.789,66.736 ; C11.1@52.375,69.55 53.241,68.684 53.241,66.204 52.988,65.951 U3.8@52.487,65.951 51.723,65.951 51.323,66.351 U3.2@50.637,66.351 49.374,66.351 49.1,66.625 49.1,67.275 C9.1@49,67.375 48.2,67.375 47.95,67.625 C8.1@47.95,68.175 47.475,68.65 47.159,68.65 47.155,68.646 45.759,68.646 45.75,68.638 ; 71.176,85.925 R37.1@72.65,85.925 ; 45.75,68.638 C1.1@45.75,69.15
  Top Layer w0.305: 69.2,86.5 69.249,86.451
  Top Layer w0.508: 35.075,66.55 35,66.475 35,66.378 35.006,66.372 35.006,65.828 35,65.822 35,64.6 35.544,64.056 35.772,64.056 38.1,61.728 38.1,61.5 38.64,60.96 J4.17@40.64,60.96 ; 35.9,67.375 36,67.475 C4.1@36,68.841 ; C4.1@35.9,68.6 ccw(c35.659,68.841) C4.1@36,68.841 ; U1.3@36,72.199 U1.3@36,71.699 v1(36,70.9) C4.1@36,68.841 ; v1(42.5,73.8) 42.539,73.761 42.845,73.761 42.906,73.699 U1.14@43.8,73.699 U1.14@44.1,73.699
  Top Layer w0.635: 35.075,66.55 35.9,67.375 ; v1(49.6,92.297) C13.1@48.895,91.592 C12.1@48.895,90.602 49.243,90.95 v1(49.7,90.95) 52.85,90.95 55.6,93.7 U6.5@55.6,94.2 55.6,95.8 ; D28.1@56.75,97 56.1,97 55.6,96.5 ; 71.001,85.75 70.252,86.5 69.2,86.5 66.4,86.5 60.487,92.413 60.487,92.426 59.42,93.494 59.42,95.145 59.145,95.42 57.48,95.42 57.1,95.8 55.6,95.8 ; J7.1@78.74,109.22 77.278,110.682 76.581,110.682 76.2,110.301 J7.2@76.2,109.22 76.2,106.985 75.286,106.07 63.881,106.07 62.027,104.216 62.027,99.517 60.935,98.425 56.21,98.425 55.6,97.815 55.6,96.5 ; 55.6,95.8 55.6,96.5
  Bottom Layer w0.508: v1(35.7,84.025) 35.8,83.925 v1(35.8,80.6) 36,80.4 v1(36,70.9) 37.1,72 41.2,72 ; v1(42.5,73.8) 42.5,73.3 41.2,72 ; v1(44.925,69.3) 42.2,69.3 41.2,70.3 41.2,72
  Bottom Layer w0.635: v1(33.575,86.05) 33.575,86.915 33.824,87.164 34.41,87.164 34.832,87.586 34.832,88.172 J2.5@35.56,88.9 ; v1(35.7,84.025) 36.525,84.025 37.52,85.02 37.52,86.94 J2.5@35.56,88.9 ; v1(49.7,90.95) 49.7,92.197 v1(49.6,92.297) 49.578,92.32 44.22,92.32 43.5,91.6 36.5,91.6 35.56,90.66 J2.5@35.56,88.9
V3.3KL: C16.1 C19.1 C20.1 J5.5 Q1.4 R15.1 R16.1 R17.1 R21.1 R22.1 R27.1 U5.5 U5.7 U5.15 | length 48.9
  Top Layer w0.203: v1(35.3,105.3) 35.5,105.1 38.847,105.1 39.215,104.732 39.568,104.732 v1(39.7,104.6) ; C16.1@37.775,100.225 C19.1@38.7,100.225 39.75,100.225 ; v1(40.077,102.355) 40.077,102.323 40.094,102.306 U5.5@40.894,102.306 ; U5.7@40.894,101.306 40.103,101.306 v1(40.027,101.23) 40.027,100.502 39.75,100.225 ; R21.1@43.586,96.92 44.42,96.92 ; C20.1@44.618,97.453 44.618,97.118 44.42,96.92 ; R27.1@51.25,98.95 51.25,98.55 ; R27.1@51.275,99.15 Q1.4@51.275,100.45 ; Q1.4@51.3,100.525 v1(51.3,101.2) ; 51.4,98.7 51.25,98.55 ; v1(51.4,103.913) 52.258,104.771 R15.1@52.258,109.535 ; 39.75,100.225 40.096,99.879 40.096,97.636 39.998,97.539 39.998,97.121 40.305,96.814 40.767,96.814 41.266,96.314 41.496,96.314 41.631,96.179 41.701,96.179 41.785,96.096 43.996,96.096 44.225,96.325 44.225,96.449 44.42,96.644 44.42,96.92 ; 44.42,96.92 47.72,96.92 48.706,97.906 50.606,97.906 51.25,98.55
  Top Layer w0.254: C20.1@44.644,97.479 U5.15@44.644,100.056
  Top Layer w0.305: v1(35.4,106.6) 35.4,106.899 R22.1@35.136,107.163 35.136,108.061 35.56,108.485 J5.5@35.56,109.22 ; C20.1@44.618,97.453 C20.1@44.644,97.479
  Bottom Layer w0.203: v1(35.3,105.3) 35.3,106.5 v1(35.4,106.6) ; v1(39.7,104.6) 40.077,104.223 v1(40.077,102.355) 40.077,101.28 v1(40.027,101.23) ; v1(51.3,101.2) 51.4,101.3 v1(51.4,103.913)
V_UNREG: C14.1 D18.1 D29.1 U4.5 U4.8 U6.1 U6.4 | length 41.7
  Top Layer w0.203: U4.8@49.774,96.541 49.774,97.157 49.806,97.189 50.241,97.189 50.247,97.195 50.602,97.195 50.973,97.195 51.178,97.4 51.5,97.4 51.724,97.176 U4.5@51.724,96.541
  Top Layer w0.635: D18.1@39.274,96.082 39.274,96.778 ; D29.1@39.274,97.707 39.274,96.778 ; 49.5,96.5 48.611,96.5 47.81,95.699 C14.1@47.193,95.699 46.699,95.699 46.5,95.5 46,95.5 ; U6.1@55.6,90.6 55.6,89.7 55.3,89.4 ; U6.4@58.6,94.2 58.6,93.2 59.7,92.1 59.7,89.5 59.58,89.38 55.32,89.38 55.3,89.4 ; 39.274,96.778 39.809,96.242 40.273,96.242 40.52,95.995 40.777,95.995 40.856,95.917 40.856,95.743 41.26,95.743 41.394,95.608 41.465,95.608 41.572,95.5 44.19,95.5 44.203,95.513 45.987,95.513 46,95.5 ; 46,95.5 46,91.185 47.604,89.58 48.731,89.58 48.776,89.625 49.624,89.625 49.669,89.58 52.181,89.58 52.201,89.6 53.049,89.6 53.069,89.58 53.873,89.58 53.893,89.6 55.1,89.6 55.3,89.4
VBATT: D18.2 J1.1 | length 2.4
  Top Layer w0.635: J1.1@34.8,97.2 35.413,97.2 36.633,95.98 D18.2@36.672,95.98
VBUS: J3.1 L1.1 | length 2.9
  Top Layer w0.381: J3.1@30.384,106.566 31.999,106.566 cw(c31.999,104.974) L1.1@33.125,106.1
VBUS_DET: R18.2 U5.32 | length 4.8
  Top Layer w0.203: R18.2@37.178,105.759 37.237,105.7 38.75,105.7 39.362,105.088 39.475,105.088 39.491,105.104 41.177,105.104 41.225,105.056 U5.32@41.644,105.056
VUSB_FILT: C25.1 C26.1 D29.2 D33.5 L1.2 R18.1 U5.6 | length 36.9
  Top Layer w0.254: D33.5@34.254,103.143 34.875,103.143 v1(34.875,103.15) ; v1@34.428,100.647 34.428,101.503 34.85,101.925 34.85,102.182 v1(34.852,102.18) ; L1.2@34.866,105.759 34.936,105.829 36.107,105.829 R18.1@36.178,105.759 ; 40.306,101.806 U5.6@40.894,101.806
  Top Layer w0.305: v1@34.428,100.647 C25.1@35.595,100.647 36.672,100.647 C26.1@36.675,100.65 36.975,100.95 38.875,100.95 39.725,101.8 40.3,101.8
  Top Layer w0.508: v1(30.575,108.525) 31.425,108.525 32.525,107.425 33.55,107.425 34.525,106.45 L1.2@34.525,106.1 ; v1(34.375,100.7) 34.375,99.125 34.9,98.6 35.372,98.6 35.603,98.369 36.226,98.369 36.774,97.821 D29.2@36.774,97.707
  Bottom Layer w0.254: v1(34.852,102.18) 34.875,102.203 v1(34.875,103.15)
  Bottom Layer w0.508: v1(30.575,108.525) 30.075,108.525 28.675,107.125 28.075,107.125 27.575,106.625 27.575,103.725 28,103.3 28.825,103.3 29.275,102.85 29.275,101.625 30.2,100.7 v1(34.375,100.7)
WAKE_NREQ: U5.23
X_IN: C21.1 U5.17 X1.1 | length 7.1
  Top Layer w0.203: U5.17@45.894,100.806 47.103,100.806 47.556,101.259 47.556,101.281 47.7,101.425 49.475,101.425 50.305,100.595 50.305,98.984 C21.1@49.992,98.671
X_OUT: C22.1 U5.18 X1.3 | length 5.2
  Top Layer w0.203: U5.18@45.894,101.306 46.731,101.306 47.2,101.775 47.2,101.997 47.599,102.396 48.569,102.396 48.775,102.602 48.775,103.805 C22.1@49.102,104.132
pads on no net: A.3 A.4 B.3 B.4 D1.0 D2.0 D3.0 D4.0 D5.0 D6.0 D7.0 D8.0 D9.0 D11.0 D12.0 D13.0 D14.0 D15.0 D16.0 D17.0 D19.0 D20.0 D21.0 D22.0 D23.0 D24.0 D25.0 D26.0 D27.0 D30.1 D31.1 D32.0 D34.5 F1.1 F2.1 F3.1 F4.1 J3.4 J3.P0 J3.P1 J5.1 SW1.3 SW1.4 U1.15 U1.41 U3.3 U4.2 U4.6 U4.7 U6.3
copper on no net: | length 2.4
  Top Layer w0.203: 40.462,107.449 40.462,107.816 v1(40.514,107.868) ; 49.749,65.951 50.637,65.951
  Top Layer w0.254: 50.424,92.524 50.424,93.441
  Bottom Layer w0.203: v1(40.514,107.868) v1@40.6,107.954

## Polygon pours and split planes (outlines as drawn)
GND on Top Layer "topgnd" (solid, pour order 0): 26,58 26,110 27,110 29,112 84,112 86,110 86,58
GND on Bottom Layer "botgnd" (solid, pour order 2): 26,58 26,110 28,112 84,112 86,110 86,58

## Keep-outs
Keep-Out Layer:
  rectangle: 24.8,62.1 30.2,91.9
  rectangle: 26.111,72.187 30.734,82.194
  lines w2: 26,58 86,58 86,110 84,112 28,112 26,110 26,58

## Other copper
Top Layer:
  pour cut-out: 46.5,112 47.5,111 47.5,110 50.346,110 50.474,110.127 50.474,110.974 51.5,112
Bottom Layer:
  pour cut-out: 47.5,110 47.5,111 46.5,112 51.5,112 50.5,111 50.5,110

## Silkscreen, mask and mechanical layers (free items; w line width, h text height)
Top Overlay:
  lines w0.152: 26.1,61.999 30.1,61.999 30.1,72.199 ; 26.1,91.999 30.1,91.999 30.1,82.2
  lines w0.203: 34.7,101.3 36.2,101.15 ; 34.775,100.7 35.05,100.7 ; 37.775,98.575 39.225,98.525 ; 38.925,100.8 cw(c39.287,100.438) 39.287,100.95 39.5,100.95 cw(c39.5,99.984) 40.183,100.667 40.375,100.475 ; 46.279,106.985 46.406,106.985 47.066,107.645 ; 76.025,66.325 cw(c76.025,65.903) 76.324,66.201 76.376,66.149 cw(c76.078,65.85) 76.5,65.85 76.5,63.906 ccw(c76.756,63.906) 76.575,63.725
  lines w0.3: 78.943,62.459 79.451,62.967
  lines w0.305: 64.845,107.026 ccw(c73.532,100.157) 67.673,90.758
  text "MKL26Z  prog" at 36.424,110.896 h1.52
  text "RESET" at 54.825,110.725 h1.52
  text "+3" at 34.366,110.693 h1.78
  text "Z" at 33.858,110.566 h2.03 r90
  text "+3" at 77.858,105.967 h2.03
  text "Z" at 61.771,105.442 h2.03
  text "+" at 33.6,97.725 h3.05
  text "-" at 83.825,94.775 h6 r90
  text "BAT" at 35.675,92.95 h1.52
  text "-" at 33.625,92.85 h3.81
  text "GND" at 85.575,91.8 h2 r90
  text "+3" at 34.112,90.602 h2.03
  text "Z" at 33.725,90.575 h2.03 r90
  text "nRF51 prog" at 37.025,85.95 h2.03
  text "V0.4" at 32.41,63.627 h3 r90
  text "P1" at 83.033,63.297 h2.5 r90
  text "P0" at 85.268,63.297 h2.5 r90
  text "P2" at 81.001,63.271 h2.5 r90
  text "22" at 27.305,58.293 h1.52
  text "21" at 29.845,58.293 h1.52
  text "20" at 32.385,58.293 h1.52
  text "19" at 34.925,58.293 h1.52
  text "18" at 37.465,58.293 h1.52
  text "17" at 40.005,58.293 h1.52
  text "16" at 42.545,58.293 h1.52
  text "15" at 45.085,58.293 h1.52
  text "14" at 47.625,58.293 h1.52
  text "13" at 50.165,58.293 h1.52
  text "12" at 52.705,58.293 h1.52
  text "11" at 55.245,58.293 h1.52
  text "10" at 57.785,58.293 h1.52
  text "9" at 60.325,58.293 h1.52
  text "8" at 62.865,58.293 h1.52
  text "7" at 65.405,58.293 h1.52
  text "6" at 67.945,58.293 h1.52
  text "5" at 70.485,58.293 h1.52
  text "4" at 73.025,58.293 h1.52
  text "3" at 75.565,58.293 h1.52
  text "P2" at 78.105,58.293 h1.52
  text "P1" at 80.645,58.293 h1.52
  text "P0" at 83.185,58.293 h1.52
Bottom Overlay:
  rectangle: 55.804,96.114 76.136,101.146
  text "Board Name" at 83.136,102.146 h5.08
  text "s/n" at 83.136,97.146 h5.08
  text "GND" at 79.425,86.925 h2.03 r270
  text "22" at 28.321,58.547 h1.52
  text "21" at 30.861,58.547 h1.52
  text "20" at 33.401,58.547 h1.52
  text "19" at 35.941,58.547 h1.52
  text "18" at 38.481,58.547 h1.52
  text "17" at 41.021,58.547 h1.52
  text "16" at 43.561,58.547 h1.52
  text "15" at 46.101,58.547 h1.52
  text "14" at 48.641,58.547 h1.52
  text "13" at 51.181,58.547 h1.52
  text "12" at 53.721,58.547 h1.52
  text "11" at 56.261,58.547 h1.52
  text "10" at 58.801,58.547 h1.52
  text "9" at 61.341,58.547 h1.52
  text "8" at 63.881,58.547 h1.52
  text "7" at 66.421,58.547 h1.52
  text "6" at 68.961,58.547 h1.52
  text "5" at 71.501,58.547 h1.52
  text "4" at 74.041,58.547 h1.52
  text "3" at 76.581,58.547 h1.52
  text "P2" at 79.451,58.547 h1.52
  text "P1" at 81.915,58.496 h1.52
  text "P0" at 84.658,58.496 h1.52
Top Solder:
  rectangle: 26,62.662 30.2,91.9
  region: 47.5,111 46.5,112 51.5,112 50.5,111
Bottom Solder:
  rectangle: 26,62 30.2,91.9
  region: 47.5,111 46.5,112 51.5,112 50.5,111
Mechanical 4:
  lines w0.152: 26,58 86,58 86,109 86,110 84,112 28,112 26,110 26,58

## Dimensions
86,58 to 77,74 on Mechanical 5
35,74 to 26,58 on Mechanical 5
56,71 to 26,58 on Mechanical 5
86,58 to 84,112 on Mechanical 5
26,58 to 86,58 on Mechanical 5
26.1,82.2 to 30.85,77.85 on Mechanical 5
30.85,77.85 to 26,58 on Mechanical 5

## Text inside footprints (layer, text, board x,y; h text height)
B1: Top Overlay "DOWN" at 83.4,96.95 h3 r90; Top Overlay "CR2032" at 65.33,95.284 h3 r90; Top Overlay "+" at 68.83,86.484 h5; Top Overlay "-" at 72.93,109.684 h5; Top Overlay "+" at 75.63,86.484 h5; Top Overlay "-" at 73.13,106.084 h2
J3: Mechanical 1 "Overhang" at 25.809,106.766 h0.3 r270
J6: Top Overlay "FRONT" at 87.3,74.8 h0.8 r270
M1: Top Overlay "-" at 70.739,80.823 h3.05 r270; Top Overlay "+" at 70.891,85.115 h2 r270; Top Overlay "BLACK" at 75.18,80.86 h2 r3; Top Overlay "RED" at 75.38,83.16 h2 r357